# KiCad board sizif128.kicad_pcb (continued)
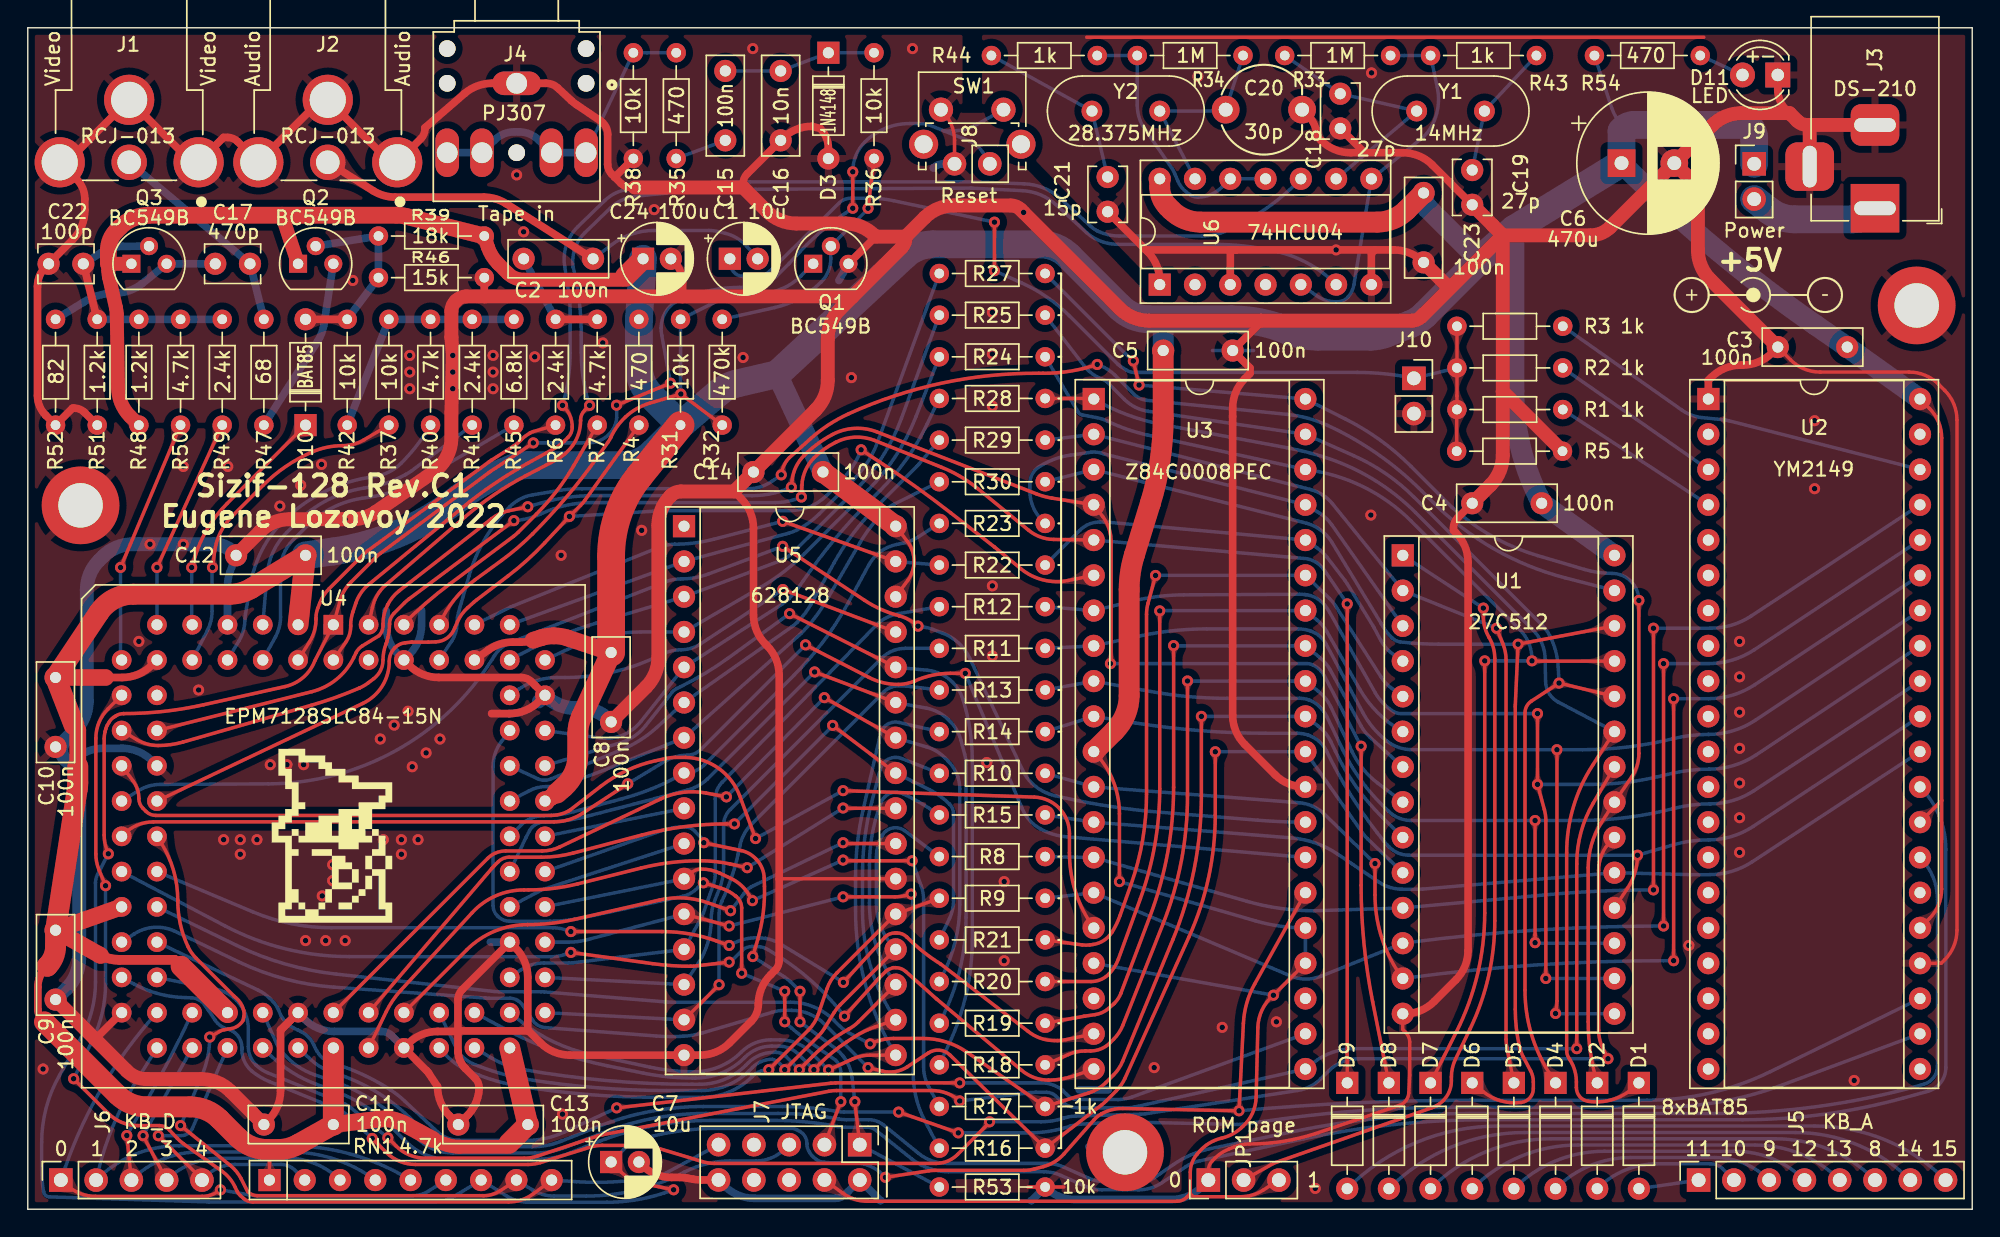
[diagram p0: board, top side]
## Copper pours and planes (outline as drawn; the poured copper is in the pictures) (continued)
Net-(C2-Pad1) on Bottom: 36.78,65.82 36.9,65.6 37,65.4 37.08,65.23 37.14,65.08 37.19,64.93 37.23,64.79 37.26,64.64 37.28,64.47 37.29,64.29 37.3,64.08 38.16,63.79 38.41,64.66 38.25,64.79 38.1,64.91 37.98,65.02 37.87,65.12 37.77,65.24 37.68,65.36 37.59,65.5 37.49,65.66 37.39,65.85 37.27,66.08
Net-(C2-Pad1) on Bottom: 36.69,67.18 36.61,67.35 36.55,67.49 36.51,67.62 36.49,67.73 36.48,67.84 36.48,67.95 36.49,68.07 36.5,68.19 36.5,68.33 36.5,68.49 35.51,68.81 35.23,67.82 35.35,67.73 35.47,67.65 35.58,67.59 35.67,67.53 35.77,67.46 35.85,67.4 35.94,67.31 36.02,67.21 36.11,67.08 36.2,66.93
Net-(C2-Pad1) on Bottom: 37.11,65.2 37.18,65.06 37.23,64.94 37.26,64.83 37.29,64.72 37.3,64.63 37.3,64.53 37.3,64.43 37.3,64.33 37.3,64.21 37.3,64.08 38.16,63.79 38.41,64.66 38.31,64.74 38.21,64.81 38.12,64.86 38.04,64.92 37.96,64.98 37.89,65.04 37.82,65.12 37.75,65.21 37.67,65.32 37.59,65.46
Net-(C15-Pad1) on Bottom: 48.02,76.04 48.3,76.14 48.54,76.21 48.75,76.26 48.93,76.28 49.11,76.29 49.28,76.29 49.46,76.27 49.66,76.25 49.89,76.22 50.14,76.19 50.6,77.13 49.64,77.54 49.47,77.35 49.31,77.19 49.18,77.04 49.05,76.91 48.92,76.8 48.78,76.69 48.62,76.59 48.43,76.49 48.21,76.38 47.94,76.28
Net-(C15-Pad1) on Bottom: 48.77,76.32 48.95,76.38 49.11,76.4 49.24,76.41 49.36,76.4 49.47,76.37 49.59,76.33 49.7,76.29 49.83,76.25 49.98,76.22 50.14,76.19 50.6,77.13 49.64,77.54 49.53,77.42 49.45,77.3 49.37,77.18 49.31,77.08 49.25,76.97 49.18,76.88 49.1,76.79 48.99,76.71 48.86,76.63 48.69,76.55
Net-(C15-Pad1) on Bottom: 47.95,76.28 47.79,76.23 47.66,76.21 47.54,76.2 47.43,76.21 47.34,76.23 47.24,76.26 47.14,76.29 47.02,76.33 46.9,76.36 46.75,76.38 46.36,75.56 47.19,75.2 47.29,75.31 47.36,75.41 47.43,75.51 47.48,75.6 47.54,75.68 47.6,75.77 47.67,75.84 47.76,75.91 47.88,75.98 48.03,76.05
Net-(C15-Pad1) on Bottom: 48.6,76.52 48.36,76.44 48.15,76.38 47.97,76.33 47.81,76.31 47.66,76.3 47.5,76.3 47.35,76.31 47.17,76.33 46.98,76.35 46.75,76.38 46.36,75.56 47.19,75.2 47.35,75.36 47.48,75.5 47.6,75.63 47.71,75.74 47.83,75.84 47.95,75.93 48.09,76.02 48.25,76.11 48.45,76.2 48.69,76.29
Net-(C15-Pad2) on Bottom: 56.4,82.96 56.12,82.86 55.88,82.79 55.68,82.74 55.49,82.71 55.31,82.7 55.14,82.7 54.96,82.72 54.76,82.74 54.54,82.76 54.28,82.79 53.83,81.85 54.79,81.44 54.97,81.63 55.12,81.8 55.25,81.95 55.38,82.08 55.51,82.2 55.64,82.31 55.8,82.41 55.99,82.51 56.21,82.62 56.48,82.72
Net-(C15-Pad2) on Bottom: 55.65,82.67 55.47,82.62 55.32,82.59 55.18,82.58 55.06,82.59 54.95,82.62 54.84,82.65 54.72,82.69 54.59,82.73 54.44,82.76 54.28,82.79 53.83,81.85 54.79,81.44 54.9,81.57 54.99,81.69 55.06,81.81 55.12,81.91 55.18,82.01 55.25,82.11 55.33,82.2 55.43,82.28 55.57,82.36 55.74,82.44
Net-(C15-Pad2) on Bottom: 59.54,83.17 59.7,83.17 59.84,83.14 59.95,83.11 60.04,83.06 60.13,83.01 60.21,82.95 60.29,82.88 60.39,82.81 60.49,82.74 60.62,82.67 61.28,83.3 60.62,83.93 60.49,83.86 60.39,83.79 60.29,83.72 60.21,83.65 60.13,83.59 60.04,83.54 59.95,83.49 59.84,83.46 59.7,83.43 59.54,83.42
Net-(C15-Pad2) on Bottom: 55.45,82.33 55.73,82.43 55.97,82.5 56.17,82.55 56.36,82.58 56.54,82.59 56.71,82.59 56.89,82.57 57.09,82.55 57.31,82.53 57.57,82.5 58.02,83.44 57.06,83.85 56.88,83.66 56.73,83.49 56.6,83.34 56.47,83.21 56.34,83.09 56.21,82.98 56.05,82.88 55.86,82.78 55.64,82.67 55.37,82.57
Net-(C15-Pad2) on Bottom: 51.82,81.86 52.11,81.86 52.36,81.84 52.57,81.81 52.75,81.77 52.92,81.72 53.08,81.66 53.25,81.58 53.42,81.49 53.63,81.39 53.86,81.27 54.61,81.99 53.86,82.71 53.63,82.59 53.42,82.49 53.25,82.4 53.08,82.32 52.92,82.26 52.75,82.21 52.57,82.17 52.36,82.14 52.11,82.12 51.82,82.11
Net-(C15-Pad2) on Bottom: 58.84,83.17 59.09,83.17 59.31,83.16 59.49,83.13 59.66,83.1 59.8,83.06 59.95,83 60.09,82.94 60.25,82.86 60.42,82.77 60.62,82.67 61.28,83.3 60.62,83.93 60.42,83.83 60.25,83.74 60.09,83.66 59.95,83.6 59.8,83.54 59.66,83.5 59.49,83.47 59.31,83.44 59.09,83.43 58.84,83.42
Net-(C15-Pad2) on Bottom: 60.03,83.42 59.74,83.43 59.49,83.45 59.28,83.48 59.1,83.52 58.93,83.57 58.77,83.63 58.6,83.71 58.43,83.8 58.22,83.9 57.99,84.02 57.24,83.3 57.99,82.58 58.22,82.7 58.43,82.8 58.6,82.89 58.77,82.97 58.93,83.03 59.1,83.08 59.28,83.12 59.49,83.15 59.74,83.17 60.03,83.17
Net-(C15-Pad2) on Bottom: 59.23,83.42 59.05,83.43 58.89,83.46 58.76,83.5 58.66,83.56 58.56,83.62 58.47,83.7 58.37,83.77 58.26,83.86 58.14,83.94 57.99,84.02 57.24,83.3 57.99,82.58 58.14,82.66 58.26,82.74 58.37,82.83 58.47,82.9 58.56,82.98 58.66,83.04 58.76,83.1 58.89,83.14 59.05,83.17 59.23,83.17
Net-(C15-Pad2) on Bottom: 52.61,82.11 52.32,82.12 52.07,82.14 51.86,82.17 51.68,82.21 51.51,82.26 51.35,82.32 51.18,82.4 51,82.49 50.8,82.59 50.57,82.71 49.82,81.99 50.57,81.27 50.8,81.39 51,81.49 51.18,81.58 51.35,81.66 51.51,81.72 51.68,81.77 51.86,81.81 52.07,81.84 52.32,81.86 52.61,81.86
Net-(C15-Pad2) on Bottom: 56.2,82.62 56.38,82.67 56.53,82.7 56.67,82.71 56.79,82.7 56.9,82.67 57.01,82.64 57.13,82.6 57.26,82.56 57.41,82.53 57.57,82.5 58.02,83.44 57.06,83.85 56.95,83.72 56.86,83.6 56.79,83.48 56.73,83.38 56.67,83.28 56.6,83.18 56.52,83.09 56.42,83.01 56.28,82.93 56.11,82.85
Net-(C15-Pad2) on Bottom: 51.81,82.11 51.62,82.12 51.47,82.15 51.34,82.19 51.23,82.25 51.14,82.31 51.04,82.39 50.95,82.46 50.84,82.55 50.72,82.63 50.57,82.71 49.82,81.99 50.57,81.27 50.72,81.35 50.84,81.43 50.95,81.52 51.04,81.59 51.14,81.67 51.23,81.73 51.34,81.79 51.47,81.83 51.62,81.86 51.81,81.86
Net-(C15-Pad2) on Bottom: 52.62,81.86 52.8,81.86 52.96,81.83 53.09,81.79 53.19,81.73 53.29,81.67 53.38,81.59 53.48,81.52 53.59,81.43 53.71,81.35 53.86,81.27 54.61,81.99 53.86,82.71 53.71,82.63 53.59,82.55 53.48,82.46 53.38,82.39 53.29,82.31 53.19,82.25 53.09,82.19 52.96,82.15 52.8,82.12 52.62,82.11
Net-(C17-Pad1) on Bottom: 3.04,65.06 2.9,64.98 2.78,64.92 2.68,64.88 2.58,64.85 2.48,64.83 2.39,64.82 2.29,64.82 2.18,64.81 2.06,64.81 1.93,64.8 1.7,63.92 2.59,63.72 2.66,63.84 2.72,63.94 2.77,64.03 2.82,64.12 2.87,64.2 2.93,64.27 3,64.35 3.09,64.43 3.2,64.51 3.33,64.59
Net-(C17-Pad1) on Bottom: 3.64,65.43 3.42,65.3 3.24,65.19 3.07,65.1 2.92,65.02 2.78,64.96 2.64,64.91 2.49,64.88 2.32,64.85 2.14,64.82 1.93,64.8 1.7,63.92 2.59,63.72 2.71,63.9 2.81,64.05 2.91,64.18 3.01,64.3 3.12,64.4 3.24,64.5 3.37,64.6 3.53,64.71 3.71,64.82 3.93,64.96
Net-(C17-Pad1) on Bottom: 8.66,66.67 8.85,66.81 9,66.94 9.14,67.04 9.27,67.13 9.4,67.21 9.52,67.27 9.65,67.32 9.8,67.37 9.96,67.42 10.15,67.47 10.25,68.3 9.41,68.38 9.33,68.2 9.25,68.05 9.17,67.92 9.09,67.81 9,67.7 8.9,67.59 8.79,67.49 8.66,67.37 8.5,67.24 8.32,67.09
Net-(C17-Pad1) on Bottom: 11.29,68.38 11.14,68.38 11.02,68.39 10.91,68.41 10.82,68.43 10.74,68.46 10.66,68.49 10.57,68.53 10.39,68.63 10.28,68.68 9.67,68.1 10.28,67.52 10.39,67.57 10.57,67.67 10.66,67.71 10.74,67.74 10.82,67.77 10.91,67.79 11.02,67.81 11.14,67.82 11.29,67.82
Net-(C17-Pad1) on Bottom: 11.11,67.82 11.4,67.82 11.65,67.82 11.86,67.8 12.05,67.78 12.22,67.75 12.39,67.7 12.56,67.65 12.73,67.57 12.93,67.49 13.15,67.38 13.9,68.1 13.15,68.82 12.93,68.71 12.73,68.63 12.56,68.55 12.39,68.5 12.22,68.45 12.05,68.42 11.86,68.4 11.65,68.38 11.4,68.38 11.11,68.38
Net-(C17-Pad1) on Bottom: 9.17,67.08 9.28,67.16 9.39,67.23 9.48,67.29 9.57,67.33 9.65,67.36 9.74,67.38 9.83,67.4 10.03,67.44 10.15,67.47 10.25,68.3 9.41,68.38 9.36,68.27 9.28,68.08 9.24,67.99 9.2,67.92 9.15,67.84 9.1,67.76 9.02,67.68 8.93,67.6 8.82,67.5
Net-(C17-Pad1) on Bottom: 11.91,67.82 12.09,67.82 12.24,67.8 12.37,67.77 12.49,67.74 12.59,67.69 12.69,67.64 12.79,67.58 12.89,67.52 13.01,67.45 13.15,67.38 13.9,68.1 13.15,68.82 13.01,68.75 12.89,68.68 12.79,68.62 12.69,68.56 12.59,68.51 12.49,68.46 12.37,68.43 12.24,68.4 12.09,68.38 11.91,68.38
Net-(C17-Pad1) on Bottom: 11.94,68.38 11.71,68.38 11.5,68.38 11.33,68.38 11.17,68.4 11.03,68.42 10.89,68.44 10.76,68.48 10.62,68.54 10.46,68.6 10.28,68.68 9.67,68.1 10.28,67.52 10.46,67.6 10.62,67.66 10.76,67.72 10.89,67.76 11.03,67.78 11.17,67.8 11.33,67.82 11.5,67.82 11.71,67.82 11.94,67.82
Net-(C18-Pad2) on Bottom: 92.46,81.6 92.7,81.43 92.89,81.28 93.05,81.13 93.18,81 93.29,80.86 93.38,80.71 93.48,80.56 93.57,80.38 93.68,80.18 93.8,79.95 94.83,80.12 94.62,81.14 94.36,81.18 94.14,81.21 93.94,81.23 93.76,81.26 93.59,81.3 93.42,81.35 93.25,81.42 93.06,81.52 92.85,81.65 92.6,81.81
Net-(C18-Pad2) on Bottom: 96.08,80.12 95.9,80.17 95.75,80.23 95.64,80.3 95.55,80.38 95.46,80.46 95.39,80.55 95.31,80.65 95.23,80.76 95.13,80.86 95,80.97 94.11,80.44 94.68,79.57 94.84,79.62 94.98,79.67 95.1,79.73 95.22,79.78 95.32,79.83 95.43,79.87 95.55,79.9 95.68,79.92 95.84,79.91 96.02,79.88
Net-(C18-Pad2) on Bottom: 97.79,79.47 98.05,79.41 98.28,79.34 98.46,79.27 98.62,79.2 98.77,79.12 98.9,79.03 99.04,78.92 99.18,78.8 99.34,78.67 99.53,78.51 100.37,79.02 99.83,79.83 99.59,79.77 99.39,79.72 99.21,79.68 99.04,79.64 98.88,79.62 98.72,79.61 98.54,79.61 98.34,79.63 98.11,79.66 97.84,79.72
Net-(C18-Pad2) on Bottom: 93.12,81.15 93.27,81.03 93.38,80.92 93.46,80.82 93.52,80.71 93.56,80.6 93.6,80.49 93.63,80.37 93.67,80.24 93.73,80.11 93.8,79.95 94.83,80.12 94.62,81.14 94.45,81.16 94.3,81.16 94.17,81.15 94.05,81.14 93.93,81.14 93.81,81.14 93.69,81.15 93.56,81.19 93.42,81.26 93.26,81.35
Net-(C18-Pad2) on Bottom: 95.34,75.34 95.19,75.23 95.05,75.15 94.93,75.1 94.81,75.07 94.69,75.06 94.57,75.05 94.45,75.05 94.32,75.05 94.17,75.03 94,75 93.89,73.96 94.93,73.89 94.99,74.05 95.03,74.19 95.06,74.33 95.09,74.45 95.11,74.56 95.14,74.67 95.19,74.79 95.26,74.9 95.36,75.02 95.5,75.15
Net-(C18-Pad2) on Bottom: 98.37,77.56 98.58,77.73 98.77,77.87 98.93,77.98 99.09,78.06 99.24,78.13 99.4,78.18 99.56,78.22 99.74,78.27 99.95,78.32 100.18,78.37 100.29,79.34 99.32,79.41 99.22,79.18 99.14,78.99 99.06,78.82 98.99,78.66 98.91,78.52 98.82,78.38 98.71,78.24 98.58,78.09 98.41,77.93 98.21,77.75
Net-(C18-Pad2) on Bottom: 98.94,78.05 99.08,78.15 99.21,78.22 99.32,78.27 99.43,78.3 99.54,78.31 99.65,78.32 99.77,78.32 99.89,78.33 100.03,78.34 100.18,78.37 100.29,79.34 99.32,79.41 99.26,79.26 99.22,79.13 99.19,79 99.17,78.89 99.15,78.78 99.11,78.68 99.07,78.57 99,78.47 98.91,78.36 98.78,78.24
Net-(C18-Pad2) on Bottom: 98.52,79.31 98.69,79.26 98.82,79.2 98.93,79.14 99.02,79.07 99.09,78.99 99.16,78.91 99.24,78.81 99.32,78.72 99.41,78.62 99.53,78.51 100.37,79.02 99.83,79.83 99.68,79.79 99.55,79.74 99.43,79.69 99.33,79.64 99.23,79.59 99.13,79.55 99.02,79.53 98.89,79.51 98.75,79.52 98.57,79.55
Net-(C18-Pad2) on Bottom: 95.95,75.85 95.72,75.67 95.52,75.52 95.34,75.41 95.17,75.32 95.01,75.25 94.85,75.2 94.67,75.15 94.48,75.11 94.26,75.06 94,75 93.89,73.96 94.93,73.89 95.03,74.13 95.12,74.34 95.2,74.52 95.28,74.69 95.36,74.84 95.45,74.99 95.57,75.14 95.71,75.3 95.89,75.47 96.11,75.66
Net-(C18-Pad2) on Bottom: 96.86,79.94 96.57,80.01 96.34,80.08 96.14,80.16 95.97,80.24 95.81,80.33 95.67,80.43 95.53,80.54 95.37,80.67 95.2,80.81 95,80.97 94.11,80.44 94.68,79.57 94.93,79.63 95.15,79.69 95.35,79.74 95.52,79.77 95.7,79.8 95.87,79.82 96.06,79.81 96.27,79.8 96.52,79.76 96.8,79.7
Net-(C18-Pad2) on Bottom: 92.29,82.02 92.09,82.17 91.92,82.3 91.78,82.43 91.66,82.54 91.57,82.66 91.48,82.79 91.4,82.93 91.31,83.08 91.22,83.25 91.11,83.45 90.21,83.3 90.39,82.41 90.62,82.38 90.81,82.35 90.98,82.32 91.14,82.3 91.29,82.26 91.43,82.21 91.59,82.15 91.75,82.06 91.94,81.95 92.15,81.81
Net-(C18-Pad2) on Bottom: 91.72,82.42 91.59,82.51 91.49,82.61 91.42,82.7 91.36,82.79 91.32,82.89 91.29,82.98 91.26,83.09 91.22,83.2 91.18,83.32 91.11,83.45 90.21,83.3 90.39,82.41 90.54,82.39 90.67,82.39 90.79,82.39 90.89,82.4 90.99,82.41 91.1,82.4 91.2,82.39 91.31,82.35 91.44,82.3 91.57,82.21
Net-(C19-Pad2) on Bottom: 106.32,80.82 106.13,80.62 105.96,80.47 105.8,80.34 105.66,80.24 105.52,80.16 105.37,80.09 105.21,80.02 105.04,79.96 104.84,79.89 104.61,79.8 104.62,78.83 105.6,78.88 105.67,79.11 105.72,79.31 105.78,79.49 105.83,79.65 105.89,79.81 105.96,79.95 106.05,80.11 106.17,80.27 106.32,80.45 106.5,80.65
Net-(C19-Pad2) on Bottom: 104.36,77.22 104.3,76.93 104.23,76.69 104.16,76.49 104.08,76.32 104,76.16 103.9,76.02 103.79,75.87 103.67,75.72 103.53,75.54 103.37,75.34 103.92,74.46 104.78,75.05 104.71,75.3 104.65,75.51 104.6,75.71 104.56,75.88 104.52,76.06 104.51,76.23 104.51,76.42 104.52,76.63 104.55,76.88 104.61,77.17
Net-(C19-Pad2) on Bottom: 107.76,82 107.88,82.11 107.99,82.2 108.09,82.25 108.19,82.29 108.29,82.32 108.39,82.33 108.49,82.35 108.61,82.37 108.73,82.4 108.87,82.45 108.86,83.36 107.95,83.31 107.91,83.17 107.89,83.04 107.88,82.92 107.87,82.82 107.86,82.71 107.84,82.61 107.81,82.51 107.76,82.41 107.68,82.29 107.58,82.17
Net-(C19-Pad2) on Bottom: 104.55,76.88 104.61,77.15 104.67,77.37 104.74,77.56 104.81,77.72 104.89,77.87 104.98,78 105.08,78.14 105.19,78.29 105.32,78.45 105.47,78.64 104.96,79.47 104.15,78.92 104.21,78.68 104.27,78.48 104.32,78.3 104.36,78.13 104.38,77.97 104.4,77.81 104.4,77.63 104.39,77.43 104.35,77.2 104.3,76.93
Net-(C19-Pad2) on Bottom: 105.81,80.27 105.68,80.15 105.56,80.06 105.45,80 105.35,79.96 105.24,79.94 105.13,79.92 105.02,79.9 104.9,79.88 104.76,79.85 104.61,79.8 104.62,78.83 105.6,78.88 105.64,79.03 105.66,79.17 105.67,79.29 105.68,79.41 105.69,79.52 105.71,79.62 105.74,79.73 105.8,79.85 105.88,79.97 105.99,80.1
Net-(C19-Pad2) on Bottom: 104.2,76.43 104.15,76.25 104.1,76.11 104.03,75.99 103.95,75.89 103.87,75.81 103.78,75.74 103.68,75.66 103.58,75.57 103.48,75.47 103.37,75.34 103.92,74.46 104.78,75.05 104.73,75.21 104.67,75.35 104.61,75.47 104.56,75.58 104.5,75.68 104.46,75.79 104.43,75.91 104.41,76.04 104.42,76.2 104.44,76.38
Net-(C19-Pad2) on Bottom: 104.7,77.62 104.74,77.79 104.8,77.92 104.86,78.03 104.93,78.12 105.01,78.2 105.09,78.27 105.18,78.34 105.27,78.42 105.37,78.52 105.47,78.64 104.96,79.47 104.15,78.92 104.2,78.77 104.25,78.64 104.3,78.52 104.36,78.42 104.4,78.32 104.45,78.22 104.47,78.11 104.49,77.99 104.48,77.84 104.46,77.67
Net-(C19-Pad2) on Bottom: 107.28,81.49 107.46,81.67 107.62,81.82 107.76,81.94 107.9,82.03 108.03,82.11 108.17,82.18 108.31,82.24 108.48,82.3 108.66,82.37 108.87,82.45 108.86,83.36 107.95,83.31 107.89,83.09 107.83,82.9 107.78,82.74 107.73,82.59 107.67,82.45 107.6,82.31 107.52,82.17 107.41,82.02 107.27,81.85 107.1,81.66
Net-(C20-Pad1) on Bottom: 82.65,77.17 82.52,77.42 82.43,77.63 82.36,77.82 82.31,77.99 82.28,78.15 82.27,78.31 82.26,78.48 82.26,78.67 82.25,78.88 82.25,79.12 81.33,79.43 81.05,78.5 81.25,78.35 81.42,78.23 81.57,78.12 81.71,78.02 81.83,77.91 81.94,77.79 82.06,77.66 82.17,77.49 82.29,77.3 82.42,77.06
Net-(C20-Pad1) on Bottom: 82.83,76.28 82.96,76.02 83.05,75.79 83.13,75.59 83.18,75.41 83.21,75.24 83.22,75.06 83.23,74.88 83.23,74.68 83.24,74.46 83.24,74.2 84.22,73.87 84.52,74.86 84.31,75.02 84.12,75.15 83.96,75.26 83.82,75.37 83.68,75.49 83.56,75.61 83.44,75.76 83.32,75.93 83.19,76.14 83.05,76.4
Net-(C20-Pad1) on Bottom: 87.19,81.74 87.25,81.89 87.31,82.01 87.38,82.11 87.46,82.18 87.53,82.25 87.62,82.31 87.71,82.37 87.8,82.43 87.9,82.52 88.01,82.62 87.61,83.43 86.81,83 86.83,82.86 86.87,82.73 86.91,82.62 86.94,82.52 86.98,82.43 87,82.33 87.02,82.22 87.02,82.11 87,81.97 86.96,81.81
Net-(C20-Pad1) on Bottom: 86.74,81.13 86.65,80.91 86.56,80.74 86.46,80.61 86.35,80.5 86.23,80.41 86.11,80.33 85.97,80.25 85.83,80.15 85.68,80.04 85.53,79.89 86.1,78.72 87.24,79.34 87.2,79.55 87.15,79.73 87.09,79.89 87.02,80.04 86.97,80.17 86.92,80.31 86.9,80.47 86.89,80.63 86.92,80.83 86.98,81.06
Net-(C20-Pad1) on Bottom: 86.98,81.07 87.06,81.31 87.14,81.51 87.22,81.68 87.3,81.83 87.39,81.95 87.48,82.07 87.59,82.19 87.71,82.31 87.85,82.45 88.01,82.62 87.61,83.43 86.81,83 86.84,82.78 86.87,82.58 86.9,82.41 86.92,82.26 86.92,82.1 86.92,81.95 86.9,81.79 86.87,81.6 86.82,81.39 86.74,81.15
Net-(C20-Pad1) on Bottom: 83.25,78.97 83.63,78.97 83.94,78.94 84.21,78.9 84.45,78.84 84.66,78.78 84.87,78.69 85.09,78.6 85.32,78.5 85.59,78.38 85.91,78.26 86.75,79.25 85.73,80.05 85.45,79.88 85.22,79.73 85,79.61 84.81,79.5 84.61,79.41 84.4,79.34 84.17,79.29 83.91,79.25 83.61,79.23 83.25,79.22
Net-(C20-Pad1) on Bottom: 84.25,78.97 84.5,78.96 84.7,78.93 84.86,78.87 85.01,78.8 85.13,78.72 85.39,78.54 85.53,78.44 85.7,78.35 85.91,78.26 86.75,79.25 85.73,80.05 85.55,79.93 85.41,79.82 85.29,79.7 85.17,79.59 85.07,79.49 84.95,79.4 84.82,79.33 84.67,79.27 84.48,79.24 84.25,79.22
Net-(C20-Pad1) on Bottom: 82.99,79.22 82.81,79.23 82.67,79.26 82.55,79.3 82.45,79.35 82.36,79.41 82.27,79.47 82.18,79.55 82.08,79.62 81.97,79.7 81.83,79.77 81.12,79.1 81.83,78.42 81.97,78.5 82.08,78.58 82.18,78.65 82.27,78.73 82.36,78.79 82.45,78.85 82.55,78.9 82.67,78.94 82.81,78.97 82.99,78.97
Net-(C20-Pad1) on Bottom: 87.04,82.09 86.92,81.74 86.81,81.45 86.69,81.21 86.57,81.01 86.44,80.83 86.3,80.67 86.14,80.5 85.76,80.12 85.53,79.89 86.1,78.72 87.24,79.34 87.19,79.67 87.1,80.19 87.07,80.42 87.05,80.64 87.04,80.86 87.06,81.09 87.1,81.36 87.18,81.66 87.28,82.01
Net-(C20-Pad1) on Bottom: 83.74,79.22 83.47,79.23 83.23,79.25 83.04,79.27 82.86,79.31 82.71,79.36 82.55,79.42 82.4,79.49 82.23,79.57 82.05,79.67 81.83,79.77 81.12,79.1 81.83,78.42 82.05,78.53 82.23,78.63 82.4,78.71 82.55,78.78 82.71,78.84 82.86,78.89 83.04,78.93 83.23,78.95 83.47,78.97 83.74,78.97
Net-(C20-Pad1) on Bottom: 83.2,75.57 83.27,75.4 83.32,75.25 83.34,75.12 83.34,75 83.33,74.88 83.31,74.77 83.28,74.65 83.26,74.51 83.24,74.37 83.24,74.2 84.22,73.87 84.52,74.86 84.38,74.96 84.25,75.03 84.13,75.08 84.01,75.13 83.9,75.18 83.8,75.24 83.7,75.31 83.61,75.4 83.51,75.53 83.42,75.69
Net-(C20-Pad1) on Bottom: 82.3,77.84 82.23,78 82.18,78.13 82.16,78.26 82.16,78.37 82.17,78.48 82.19,78.59 82.21,78.7 82.23,78.83 82.25,78.96 82.25,79.12 81.33,79.43 81.05,78.5 81.18,78.41 81.3,78.34 81.42,78.29 81.52,78.24 81.62,78.2 81.72,78.14 81.81,78.08 81.9,77.99 81.99,77.87 82.08,77.72
Net-(C21-Pad2) on Bottom: 75.26,79.71 75.4,79.62 75.52,79.53 75.6,79.44 75.67,79.34 75.72,79.25 75.76,79.14 75.81,79.04 75.86,78.92 75.92,78.8 76.01,78.67 76.95,78.92 76.66,79.85 76.5,79.85 76.36,79.84 76.24,79.82 76.13,79.8 76.02,79.78 75.91,79.78 75.8,79.78 75.67,79.8 75.53,79.85 75.38,79.93
Net-(C21-Pad2) on Bottom: 74.6,80.07 74.84,79.94 75.03,79.81 75.19,79.69 75.33,79.58 75.44,79.46 75.54,79.33 75.64,79.2 75.75,79.04 75.87,78.87 76.01,78.67 76.95,78.92 76.66,79.85 76.42,79.86 76.21,79.87 76.02,79.87 75.85,79.89 75.69,79.91 75.53,79.94 75.36,79.99 75.17,80.07 74.96,80.16 74.72,80.29
Net-(C21-Pad2) on Bottom: 77.26,75.87 77.29,75.68 77.3,75.53 77.29,75.39 77.26,75.28 77.22,75.17 77.17,75.06 77.12,74.95 77.06,74.83 77.01,74.69 76.97,74.52 77.84,73.96 78.37,74.86 78.26,74.98 78.15,75.08 78.04,75.17 77.95,75.24 77.85,75.32 77.77,75.4 77.69,75.49 77.62,75.6 77.56,75.75 77.5,75.93
Net-(C21-Pad2) on Bottom: 71.27,82.2 71.05,82.33 70.87,82.44 70.72,82.55 70.59,82.66 70.48,82.77 70.38,82.89 70.29,83.01 70.19,83.16 70.08,83.32 69.95,83.5 69.07,83.27 69.34,82.4 69.57,82.39 69.76,82.38 69.94,82.38 70.1,82.36 70.25,82.34 70.4,82.31 70.55,82.26 70.73,82.19 70.92,82.1 71.15,81.98
Net-(C21-Pad2) on Bottom: 77.09,77.68 77.05,77.85 77.05,78 77.06,78.12 77.08,78.23 77.12,78.34 77.16,78.44 77.21,78.54 77.26,78.66 77.31,78.79 77.35,78.94 76.53,79.46 76.04,78.63 76.14,78.51 76.25,78.41 76.34,78.33 76.43,78.26 76.52,78.19 76.6,78.12 76.67,78.03 76.74,77.92 76.79,77.79 76.84,77.62
Net-(C21-Pad2) on Bottom: 70.66,82.54 70.52,82.62 70.41,82.71 70.33,82.79 70.27,82.88 70.22,82.97 70.18,83.06 70.14,83.16 70.09,83.27 70.03,83.38 69.95,83.5 69.07,83.27 69.34,82.4 69.49,82.4 69.62,82.41 69.73,82.43 69.84,82.44 69.94,82.46 70.04,82.46 70.15,82.46 70.26,82.44 70.39,82.39 70.54,82.32
Net-(C21-Pad2) on Bottom: 77.08,76.65 77.14,76.36 77.18,76.12 77.2,75.9 77.2,75.72 77.19,75.54 77.16,75.37 77.13,75.19 77.08,75 77.03,74.78 76.97,74.52 77.84,73.96 78.37,74.86 78.2,75.06 78.06,75.23 77.93,75.38 77.81,75.52 77.71,75.66 77.62,75.82 77.54,75.99 77.47,76.18 77.39,76.42 77.32,76.7
Net-(C21-Pad2) on Bottom: 77.26,76.95 77.2,77.22 77.16,77.45 77.14,77.64 77.14,77.82 77.15,77.99 77.17,78.15 77.21,78.31 77.25,78.5 77.3,78.7 77.35,78.94 76.53,79.46 76.04,78.63 76.19,78.44 76.33,78.28 76.45,78.14 76.56,78 76.65,77.87 76.73,77.73 76.81,77.57 76.88,77.38 76.95,77.16 77.02,76.89
Net-(C22-Pad1) on Top: 4.85,65.85 4.78,66.13 4.73,66.37 4.69,66.58 4.66,66.77 4.65,66.95 4.65,67.12 4.67,67.29 4.7,67.48 4.73,67.69 4.78,67.94 3.9,68.49 3.39,67.59 3.54,67.4 3.68,67.23 3.79,67.07 3.88,66.93 3.97,66.78 4.04,66.62 4.11,66.44 4.17,66.23 4.24,66 4.31,65.71
Net-(C22-Pad1) on Top: 4.23,66.06 4.29,65.82 4.34,65.6 4.37,65.42 4.4,65.25 4.41,65.1 4.41,64.95 4.41,64.8 4.39,64.63 4.36,64.45 4.31,64.24 5.08,63.76 5.54,64.55 5.4,64.71 5.29,64.86 5.2,64.99 5.12,65.13 5.05,65.26 4.99,65.4 4.93,65.56 4.88,65.74 4.82,65.95 4.76,66.19
Net-(C22-Pad1) on Top: 4.65,66.62 4.61,66.8 4.59,66.95 4.59,67.09 4.6,67.2 4.61,67.31 4.64,67.42 4.67,67.53 4.71,67.65 4.75,67.78 4.78,67.94 3.9,68.49 3.39,67.59 3.49,67.47 3.58,67.37 3.67,67.28 3.75,67.2 3.83,67.12 3.9,67.03 3.96,66.93 4.02,66.81 4.07,66.67 4.12,66.49
Net-(C22-Pad1) on Top: 4.4,65.38 4.43,65.23 4.45,65.1 4.46,64.98 4.46,64.88 4.44,64.78 4.43,64.69 4.4,64.59 4.37,64.49 4.34,64.37 4.31,64.24 5.08,63.76 5.54,64.55 5.45,64.65 5.37,64.74 5.3,64.81 5.23,64.89 5.17,64.96 5.12,65.04 5.06,65.13 5.02,65.24 4.97,65.36 4.93,65.52
Net-(C22-Pad1) on Bottom: 12.61,63.82 12.77,63.82 12.9,63.81 13.01,63.79 13.11,63.76 13.21,63.73 13.29,63.68 13.38,63.64 13.47,63.59 13.58,63.53 13.69,63.47 14.35,64.1 13.69,64.73 13.58,64.67 13.47,64.61 13.38,64.56 13.29,64.52 13.21,64.47 13.11,64.44 13.01,64.41 12.9,64.39 12.77,64.38 12.61,64.38
Net-(C22-Pad1) on Bottom: 12.39,64.38 12.23,64.38 12.1,64.39 11.99,64.41 11.89,64.44 11.79,64.47 11.71,64.52 11.62,64.56 11.53,64.61 11.42,64.67 11.31,64.73 10.65,64.1 11.31,63.47 11.42,63.53 11.53,63.59 11.62,63.64 11.71,63.68 11.79,63.73 11.89,63.76 11.99,63.79 12.1,63.81 12.23,63.82 12.39,63.82
Net-(C22-Pad1) on Bottom: 11.91,63.82 12.16,63.82 12.38,63.82 12.57,63.81 12.73,63.8 12.89,63.77 13.03,63.74 13.18,63.69 13.33,63.63 13.5,63.56 13.69,63.47 14.35,64.1 13.69,64.73 13.5,64.64 13.33,64.57 13.18,64.51 13.03,64.46 12.89,64.43 12.73,64.4 12.57,64.39 12.38,64.38 12.16,64.38 11.91,64.38
Net-(C22-Pad1) on Bottom: 10.09,64.38 9.84,64.38 9.62,64.38 9.43,64.39 9.27,64.4 9.11,64.43 8.97,64.46 8.82,64.51 8.67,64.57 8.5,64.64 8.31,64.73 7.65,64.1 8.31,63.47 8.5,63.56 8.67,63.63 8.82,63.69 8.97,63.74 9.11,63.77 9.27,63.8 9.43,63.81 9.62,63.82 9.84,63.82 10.09,63.82
Net-(C22-Pad1) on Bottom: 9.61,63.82 9.77,63.82 9.9,63.81 10.01,63.79 10.11,63.76 10.21,63.73 10.29,63.68 10.38,63.64 10.47,63.59 10.58,63.53 10.69,63.47 11.35,64.1 10.69,64.73 10.58,64.67 10.47,64.61 10.38,64.56 10.29,64.52 10.21,64.47 10.11,64.44 10.01,64.41 9.9,64.39 9.77,64.38 9.61,64.38
Net-(C22-Pad1) on Bottom: 6.61,63.82 6.77,63.82 6.9,63.81 7.01,63.79 7.11,63.76 7.21,63.73 7.29,63.68 7.38,63.64 7.47,63.59 7.58,63.53 7.69,63.47 8.35,64.1 7.69,64.73 7.58,64.67 7.47,64.61 7.38,64.56 7.29,64.52 7.21,64.47 7.11,64.44 7.01,64.41 6.9,64.39 6.77,64.38 6.61,64.38
Net-(C22-Pad1) on Bottom: 6.79,69.63 6.39,69.6 6.06,69.54 5.77,69.46 5.53,69.37 5.3,69.26 5.08,69.16 4.85,69.06 4.6,68.98 4.32,68.93 3.98,68.9 3.66,67.89 4.68,67.67 4.84,67.93 5,68.17 5.15,68.38 5.31,68.55 5.48,68.71 5.67,68.83 5.89,68.94 6.15,69.01 6.45,69.06 6.8,69.08
Net-(C22-Pad1) on Bottom: 9.39,64.38 9.23,64.38 9.1,64.39 8.99,64.41 8.89,64.44 8.79,64.47 8.71,64.52 8.62,64.56 8.53,64.61 8.42,64.67 8.31,64.73 7.65,64.1 8.31,63.47 8.42,63.53 8.53,63.59 8.62,63.64 8.71,63.68 8.79,63.73 8.89,63.76 8.99,63.79 9.1,63.81 9.23,63.82 9.39,63.82
Net-(C22-Pad1) on Bottom: 7.09,64.38 6.84,64.38 6.62,64.38 6.43,64.39 6.27,64.4 6.11,64.43 5.97,64.46 5.82,64.51 5.67,64.57 5.5,64.64 5.31,64.73 4.65,64.1 5.31,63.47 5.5,63.56 5.67,63.63 5.82,63.69 5.97,63.74 6.11,63.77 6.27,63.8 6.43,63.81 6.62,63.82 6.84,63.82 7.09,63.82
Net-(C22-Pad1) on Bottom: 5.71,68.82 6.06,68.98 6.37,69.09 6.65,69.16 6.91,69.2 7.16,69.2 7.4,69.18 7.64,69.12 7.89,69.03 8.16,68.92 8.45,68.78 9.05,69.37 8.44,69.95 8.12,69.82 7.83,69.74 7.56,69.69 7.31,69.68 7.05,69.67 6.79,69.66 6.51,69.64 6.2,69.58 5.86,69.48 5.47,69.32
Net-(C22-Pad1) on Bottom: 13.09,64.38 12.84,64.38 12.62,64.38 12.43,64.39 12.27,64.4 12.11,64.43 11.97,64.46 11.82,64.51 11.67,64.57 11.5,64.64 11.31,64.73 10.65,64.1 11.31,63.47 11.5,63.56 11.67,63.63 11.82,63.69 11.97,63.74 12.11,63.77 12.27,63.8 12.43,63.81 12.62,63.82 12.84,63.82 13.09,63.82
Net-(C22-Pad1) on Bottom: 5.93,69.49 5.65,69.41 5.42,69.32 5.22,69.25 5.04,69.18 4.88,69.12 4.72,69.06 4.55,69.01 4.37,68.97 4.16,68.93 3.91,68.9 3.66,67.89 4.68,67.67 4.8,67.87 4.9,68.05 5,68.2 5.1,68.35 5.2,68.47 5.32,68.59 5.46,68.7 5.63,68.79 5.84,68.88 6.09,68.97
Net-(C22-Pad1) on Bottom: 7.44,69.09 7.59,69.08 7.71,69.07 7.82,69.06 7.91,69.03 8,69.01 8.08,68.97 8.16,68.93 8.34,68.84 8.45,68.78 9.05,69.37 8.44,69.95 8.33,69.9 8.15,69.8 8.07,69.76 7.99,69.72 7.91,69.69 7.81,69.67 7.71,69.65 7.58,69.64 7.44,69.64
Net-(C22-Pad1) on Bottom: 6.39,64.38 6.23,64.38 6.1,64.39 5.99,64.41 5.89,64.44 5.79,64.47 5.71,64.52 5.62,64.56 5.53,64.61 5.42,64.67 5.31,64.73 4.65,64.1 5.31,63.47 5.42,63.53 5.53,63.59 5.62,63.64 5.71,63.68 5.79,63.73 5.89,63.76 5.99,63.79 6.1,63.81 6.23,63.82 6.39,63.82